# Altium PCB Kasli-DIOT.PCBDOC (part 18 of 21)
Units mm, origin at the board's own origin, x right, y up, seen from the top; angles counter-clockwise.
Board outline 222.34 x 100 mm, 10 copper layers (TopLayer, Layer 2, Layer 3, Layer 4, Layer 5, Layer 6, Layer 7, layer 8, Layer 9, BottomLayer), stack 1.564 mm thick; 974 components, 908 nets, 4662 pads, 2649 vias.
Unrouted connection lines stored in the file: 17.
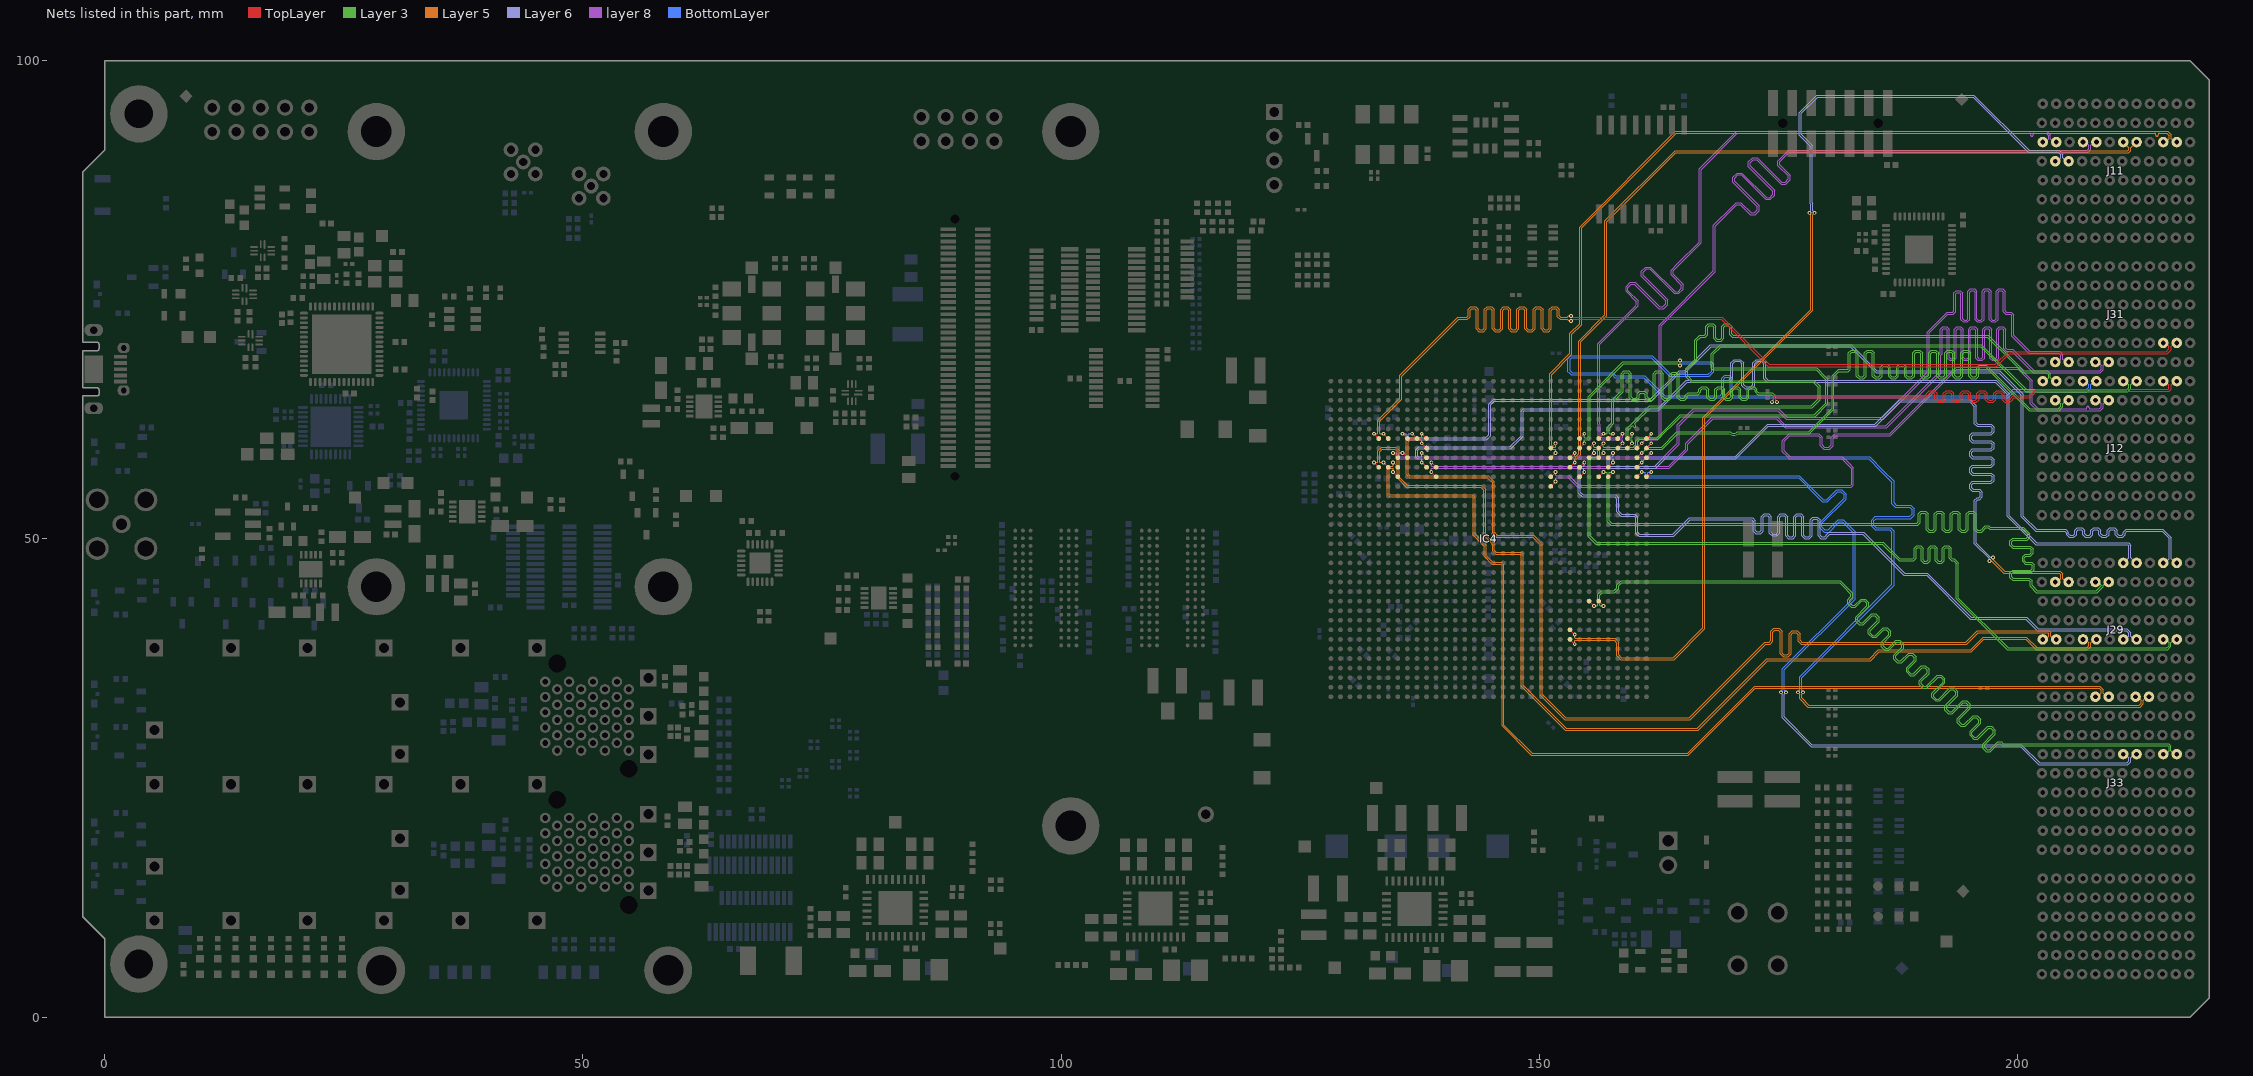
[diagram p26: the nets of this part, all layers, seen from the top]

## Via types
v1: diameter 0.4, hole 0.2, TopLayer to BottomLayer, tented both sides, 1661 vias
v2: diameter 0.5, hole 0.2, TopLayer to BottomLayer, tented both sides, 516 vias
v3: diameter 0.6, hole 0.3, TopLayer to BottomLayer, tented both sides, 175 vias
v4: diameter 0.6, hole 0.3, TopLayer to BottomLayer, 113 vias
v5: diameter 0.5, hole 0.2, TopLayer to BottomLayer, 110 vias
v6: diameter 0.4, hole 0.2, TopLayer to BottomLayer, 67 vias
v7: diameter 0.8, hole 0.5, TopLayer to BottomLayer, tented both sides, 7 vias

## Nets (pads, with @x,y where several pads share a name; then routed paths per layer and width w, separated by ;. In a path a pad name is that pad's centre, name@x,y a point inside that pad or via, vN(x,y) a via of type N, cw(c..) or ccw(c..) an arc to the next point about the centre after c; other vN are vias at no path point) (continued)
SLOT5.LVDS_14_N: IC4.AH26 J11.K5 | length 108.2
  TopLayer w0.095: IC4.AH26@153.2,39.5 v1(153.7,39)
  Layer 5 w0.08: v1(153.7,39) 153.7,39.35 153.747,39.396 157.823,39.396 158.1,39.119 158.1,37.788 158.495,37.393 164.093,37.393 167.307,40.607 167.307,62.607 178.6,73.9 178.6,83.893 178.76,84.054 v1(178.76,84.1)
  Layer 6 w0.08: v1(178.76,84.1) 178.76,84.14 178.6,84.3 178.6,85.09 178.539,85.151 178.539,91.155 177.397,92.298 177.397,94.495 179.102,96.2 195.344,96.2 201.122,90.422 204.264,90.422 204.535,90.151 204.535,89.851 204.184,89.5 J11.K5@203.939,89.5
SLOT5.LVDS_14_P: IC4.AG26 J11.J5 | length 108.6
  TopLayer w0.095: IC4.AG26@153.2,40.5 v1(153.7,40)
  Layer 5 w0.08: v1(153.7,40) 153.7,39.65 153.747,39.603 157.908,39.603 158.307,39.205 158.307,37.874 158.581,37.6 164.007,37.6 167.1,40.693 167.1,62.693 178.393,73.985 178.393,83.893 178.233,84.053 v1(178.233,84.1)
  Layer 6 w0.08: v1(178.233,84.1) 178.233,84.14 178.393,84.3 178.393,85.004 178.332,85.065 178.332,91.07 177.19,92.212 177.19,94.581 179.016,96.407 195.43,96.407 201.208,90.629 204.35,90.629 204.742,90.237 204.742,89.851 205.093,89.5 J11.J5@205.339,89.5
SLOT5.LVDS_15_N: IC4.AD29 J33.C6 | length 107.5
  TopLayer w0.095: IC4.AD29@156.2,43.5 v1(156.7,43)
  Layer 3 w0.075: v1(156.7,43) 156.349,43 156.305,43.044 156.305,44.121 156.549,44.364 157.864,44.364 158.078,44.578 ccw(c157.7,45) 158.122,44.622 158.3,44.8 158.3,45.115 158.618,45.433 181.381,45.433 181.626,45.188 181.694,45.12 182.569,44.245 182.569,43.984 182.235,43.65 182.235,43.222 182.614,42.843 183.042,42.843 183.718,43.519 183.979,43.519 184.239,43.259 184.239,42.998 183.074,41.833 183.074,41.405 183.453,41.026 183.881,41.026 184.827,41.972 185.087,41.972 185.348,41.711 185.348,41.451 184.402,40.505 184.402,40.077 184.781,39.698 185.209,39.698 186.032,40.522 186.293,40.522 186.553,40.261 186.553,40 185.73,39.177 185.73,38.749 186.109,38.37 186.537,38.37 187.36,39.194 187.621,39.194 187.881,38.933 187.881,38.673 187.058,37.849 187.058,37.421 187.437,37.042 187.865,37.042 188.688,37.866 188.949,37.866 189.209,37.605 189.209,37.345 188.386,36.521 188.386,36.093 188.765,35.714 189.193,35.714 190.016,36.538 190.277,36.538 190.537,36.277 190.537,36.017 189.714,35.193 189.714,34.765 190.093,34.387 190.521,34.387 191.686,35.552 191.947,35.552 192.207,35.291 192.207,35.031 191.042,33.865 191.042,33.437 191.421,33.059 191.849,33.059 193.014,34.224 193.274,34.224 193.535,33.963 193.535,33.703 192.37,32.537 192.37,32.11 192.749,31.731 193.177,31.731 194.342,32.896 194.602,32.896 194.863,32.635 194.863,32.375 193.698,31.21 193.698,30.782 194.077,30.403 194.505,30.403 195.424,31.323 195.685,31.323 195.946,31.062 195.946,30.802 195.026,29.882 195.026,29.454 195.405,29.075 195.832,29.075 196.959,30.201 197.219,30.201 197.48,29.94 197.48,29.68 196.354,28.554 196.354,28.126 196.733,27.747 197.16,27.747 197.984,28.57 198.244,28.57 198.313,28.502 198.414,28.4 215.702,28.4 215.838,28.264 215.838,27.861 215.477,27.5 J33.C6@215.239,27.5
SLOT5.LVDS_15_P: IC4.AD28 J33.B6 | length 108.1
  TopLayer w0.095: IC4.AD28@155.2,43.5 v1(155.7,43)
  Layer 3 w0.075: v1(155.7,43) 156.059,43 156.103,43.044 156.103,44.204 156.465,44.566 157.781,44.566 157.94,44.726 ccw(c157.7,45) 157.974,44.76 158.098,44.884 158.098,45.199 158.534,45.635 181.465,45.635 181.769,45.331 181.837,45.263 182.771,44.329 182.771,43.901 182.437,43.566 182.437,43.306 182.698,43.045 182.958,43.045 183.635,43.721 184.063,43.721 184.441,43.343 184.441,42.915 183.276,41.749 183.276,41.489 183.537,41.228 183.797,41.228 184.743,42.174 185.171,42.174 185.55,41.795 185.55,41.367 184.604,40.421 184.604,40.161 184.865,39.9 185.125,39.9 185.949,40.724 186.376,40.724 186.755,40.345 186.755,39.917 185.932,39.094 185.932,38.833 186.193,38.572 186.453,38.572 187.276,39.396 187.704,39.396 188.083,39.017 188.083,38.589 187.26,37.766 187.26,37.505 187.521,37.244 187.781,37.244 188.604,38.068 189.032,38.068 189.411,37.689 189.411,37.261 188.588,36.438 188.588,36.177 188.849,35.916 189.109,35.916 189.932,36.74 190.36,36.74 190.739,36.361 190.739,35.933 189.916,35.11 189.916,34.849 190.176,34.589 190.437,34.589 191.602,35.754 192.03,35.754 192.409,35.375 192.409,34.947 191.244,33.782 191.244,33.521 191.504,33.261 191.765,33.261 192.93,34.426 193.358,34.426 193.737,34.047 193.737,33.619 192.572,32.454 192.572,32.193 192.832,31.933 193.093,31.933 194.258,33.098 194.686,33.098 195.065,32.719 195.065,32.291 193.9,31.126 193.9,30.865 194.16,30.605 194.421,30.605 195.341,31.525 195.769,31.525 196.148,31.146 196.148,30.718 195.228,29.798 195.228,29.537 195.488,29.277 195.749,29.277 196.875,30.403 197.303,30.403 197.682,30.024 197.682,29.596 196.556,28.47 196.556,28.209 196.816,27.949 197.077,27.949 197.9,28.772 198.328,28.772 198.387,28.713 198.396,28.704 198.455,28.645 198.498,28.602 215.786,28.602 216.04,28.348 216.04,27.861 216.401,27.5 J33.B6@216.639,27.5
SLOT6.LVDS_0_N: IC4.H28 J29.C4 | length 88.2
  TopLayer w0.095: IC4.H28@155.2,59.5 v1(155.7,60)
  Layer 3 w0.075: v1(155.7,60) 155.7,59.645 155.744,59.601 156.07,59.601 156.302,59.369 156.302,58.616 156.05,58.365 155.425,58.365 155.3,58.239 155.3,50.324 155.974,49.65 185.95,49.65 187.692,47.908 188.95,47.908 189.046,47.908 189.18,48.042 189.18,49.047 189.433,49.299 189.869,49.299 190.121,49.047 190.121,47.817 190.256,47.683 190.524,47.683 190.658,47.817 190.658,49.047 190.911,49.299 191.347,49.299 191.599,49.047 191.599,47.817 191.734,47.683 192.002,47.683 192.136,47.817 192.136,49.047 192.389,49.299 192.825,49.299 193.077,49.047 193.077,48.042 193.212,47.908 193.385,47.908 193.665,47.628 193.75,47.543 193.809,47.484 193.809,43.81 199.019,38.6 215.593,38.6 215.838,38.845 215.838,39.139 215.477,39.5 J29.C4@215.239,39.5
SLOT6.LVDS_0_P: IC4.J28 J29.B4 | length 88.5
  TopLayer w0.095: IC4.J28@155.2,58.5 v1(155.7,59)
  Layer 3 w0.075: v1(155.7,59) 155.7,59.355 155.744,59.399 155.986,59.399 156.1,59.285 156.1,58.7 155.967,58.567 155.342,58.567 155.098,58.323 155.098,50.241 155.891,49.448 185.866,49.448 187.608,47.706 188.95,47.706 189.13,47.706 189.382,47.959 189.382,48.963 189.517,49.097 189.785,49.097 189.919,48.963 189.919,47.734 190.172,47.481 190.608,47.481 190.86,47.734 190.86,48.963 190.995,49.097 191.263,49.097 191.397,48.963 191.397,47.734 191.65,47.481 192.086,47.481 192.338,47.734 192.338,48.963 192.473,49.097 192.741,49.097 192.875,48.963 192.875,47.959 193.128,47.706 193.301,47.706 193.564,47.444 193.607,47.4 193.607,43.726 198.936,38.398 215.677,38.398 216.04,38.761 216.04,39.139 216.401,39.5 J29.B4@216.639,39.5
SLOT6.LVDS_1_N: IC4.K27 J29.F4 | length 88.1
  TopLayer w0.095: IC4.K27@154.2,57.5 v1(154.7,58)
  Layer 6 w0.08: v1(154.7,58) 154.7,57.694 154.583,57.577 154.342,57.577 154.082,57.317 154.082,54.803 154.485,54.4 156.9,54.4 157.876,54.4 158.104,54.172 158.104,52.822 158.526,52.4 159.9,52.4 160.093,52.207 160.093,50.614 160.414,50.293 164.044,50.293 165.751,52 171.248,52 172.198,52 172.358,51.84 172.358,50.814 172.64,50.532 173.132,50.532 173.414,50.814 173.414,52.253 173.575,52.413 173.896,52.413 174.056,52.253 174.056,50.593 174.338,50.312 174.83,50.312 175.112,50.593 175.112,52.253 175.273,52.413 175.594,52.413 175.754,52.253 175.754,50.312 176.036,50.03 176.528,50.03 176.81,50.312 176.81,52.253 176.971,52.413 177.292,52.413 177.452,52.253 177.452,50.312 177.734,50.03 178.226,50.03 178.508,50.312 178.508,51.907 178.669,52.067 178.99,52.067 179.15,51.907 179.15,50.312 179.432,50.03 179.924,50.03 180.206,50.312 180.206,50.34 180.367,50.5 180.563,50.5 183.807,50.5 188.119,46.189 190.491,46.189 195.071,41.608 200.864,41.608 202.073,40.4 211.352,40.4 211.635,40.117 211.635,39.851 211.284,39.5 J29.F4@211.039,39.5
SLOT6.LVDS_1_P: IC4.L27 J29.E4 | length 87.7
  TopLayer w0.095: IC4.L27@154.2,56.5 v1(154.7,57)
  Layer 6 w0.08: v1(154.7,57) 154.639,57.061 154.639,57.323 154.592,57.37 154.428,57.37 154.289,57.232 154.289,54.889 154.571,54.607 156.986,54.607 157.962,54.607 158.311,54.258 158.311,52.908 158.612,52.607 159.986,52.607 160.3,52.293 160.3,50.7 160.5,50.5 163.959,50.5 165.666,52.207 171.248,52.207 172.283,52.207 172.565,51.925 172.565,50.899 172.726,50.739 173.047,50.739 173.207,50.899 173.207,52.338 173.489,52.62 173.981,52.62 174.263,52.338 174.263,50.679 174.424,50.519 174.745,50.519 174.905,50.679 174.905,52.338 175.187,52.62 175.679,52.62 175.961,52.338 175.961,50.397 176.122,50.237 176.443,50.237 176.603,50.397 176.603,52.338 176.885,52.62 177.377,52.62 177.659,52.338 177.659,50.397 177.82,50.237 178.141,50.237 178.301,50.397 178.301,51.992 178.583,52.274 179.075,52.274 179.357,51.992 179.357,50.397 179.518,50.237 179.839,50.237 179.999,50.397 179.999,50.425 180.281,50.707 180.563,50.707 183.893,50.707 188.204,46.396 190.577,46.396 195.157,41.815 200.95,41.815 202.159,40.607 211.438,40.607 211.842,40.203 211.842,39.851 212.193,39.5 J29.E4@212.439,39.5
SLOT6.LVDS_2_N: IC4.J34 J29.E1 | length 99
  TopLayer w0.095: IC4.J34@161.2,58.5 v1(161.7,59)
  Layer 5 w0.08: v1(177.575,33.965) 177.575,33.919 177.415,33.759 177.415,33.385 178.166,32.634 212.728,32.634 212.935,32.841 212.935,33.13 212.565,33.5 J29.E1@212.339,33.5
  BottomLayer w0.095: v1(161.7,59) 161.431,58.731 161.431,58.652 161.487,58.597 184.521,58.597 185.961,57.157 187.083,56.034 187.083,54.86 187.083,53.768 187.323,53.528 188.822,53.528 189.191,53.159 189.191,52.497 188.822,52.127 185.215,52.127 184.975,51.888 184.975,51.41 185.215,51.17 186.714,51.17 187.083,50.801 187.083,50.597 187.083,45.159 177.422,35.497 177.422,34.174 177.575,34.021 v1(177.575,33.965)
SLOT6.LVDS_2_P: IC4.K33 J29.D1 | length 99.7
  TopLayer w0.095: IC4.K33@160.2,57.5 v1(160.7,58)
  Layer 5 w0.08: v1(177.048,33.965) 177.048,33.919 177.208,33.759 177.208,33.3 178.08,32.427 212.814,32.427 213.142,32.756 213.142,33.13 213.513,33.5 J29.D1@213.739,33.5
  BottomLayer w0.095: v1(160.7,58) 161.082,58.382 161.31,58.382 161.317,58.375 184.429,58.375 185.647,57.157 185.804,57 186.861,55.942 186.861,54.86 186.861,53.676 187.231,53.306 188.73,53.306 188.969,53.067 188.969,52.589 188.73,52.349 185.123,52.349 184.753,51.98 184.753,51.318 185.123,50.948 186.622,50.948 186.861,50.709 186.861,50.597 186.861,45.251 177.2,35.589 177.2,34.174 177.048,34.021 v1(177.048,33.965)
SLOT6.LVDS_3_N: IC4.L30 J29.H7 | length 86.8
  TopLayer w0.095: IC4.L30@157.2,56.5 v1(157.7,57)
  Layer 3 w0.075: v1(157.7,57) 157.345,57 157.301,56.956 157.301,54.75 157.3,54.749 157.3,51.885 157.393,51.791 157.563,51.622 189.364,51.622 189.461,51.622 189.62,51.781 189.62,52.619 189.898,52.897 190.383,52.897 190.661,52.619 190.661,51.069 190.82,50.91 191.139,50.91 191.298,51.069 191.298,52.619 191.576,52.897 192.061,52.897 192.339,52.619 192.339,51.069 192.498,50.91 192.817,50.91 192.976,51.069 192.976,52.619 193.254,52.897 193.739,52.897 194.017,52.619 194.017,51.069 194.176,50.91 194.495,50.91 194.654,51.069 194.654,52.619 194.932,52.897 195.417,52.897 195.695,52.619 195.695,51.069 195.854,50.91 196.173,50.91 196.332,51.069 196.332,51.111 196.61,51.389 197.002,51.389 197.155,51.236 197.167,51.236 200.59,51.236 200.792,51.034 201.271,50.555 201.271,50.162 200.993,49.884 199.561,49.884 199.401,49.725 199.401,49.407 199.561,49.247 201.339,49.247 201.616,48.97 201.616,48.484 201.339,48.206 200.879,48.206 200.72,48.047 200.72,47.729 200.879,47.569 201.474,47.569 201.751,47.292 201.751,46.806 201.474,46.528 199.561,46.528 199.401,46.369 199.401,46.051 199.561,45.891 201.232,45.891 201.509,45.614 201.509,45.433 201.509,45.149 202.058,44.6 208.249,44.6 208.738,45.089 208.738,45.151 208.388,45.5 J29.H7@208.139,45.5
SLOT6.LVDS_3_P: IC4.L29 J29.G7 | length 87.5
  TopLayer w0.095: IC4.L29@156.2,56.5 v1(156.7,57)
  Layer 3 w0.075: v1(156.7,57) 157.055,57 157.099,56.956 157.099,54.833 157.098,54.832 157.098,51.801 157.479,51.42 189.364,51.42 189.544,51.42 189.822,51.697 189.822,52.536 189.981,52.695 190.3,52.695 190.459,52.536 190.459,50.985 190.737,50.708 191.222,50.708 191.5,50.985 191.5,52.536 191.659,52.695 191.978,52.695 192.137,52.536 192.137,50.985 192.415,50.708 192.9,50.708 193.178,50.985 193.178,52.536 193.337,52.695 193.656,52.695 193.815,52.536 193.815,50.985 194.093,50.708 194.578,50.708 194.856,50.985 194.856,52.536 195.015,52.695 195.334,52.695 195.493,52.536 195.493,50.985 195.771,50.708 196.256,50.708 196.534,50.985 196.534,51.027 196.693,51.187 196.918,51.187 196.953,51.152 197.072,51.034 197.167,51.034 199.162,51.034 200.506,51.034 201.069,50.471 201.069,50.246 200.909,50.086 199.477,50.086 199.199,49.809 199.199,49.323 199.477,49.045 201.255,49.045 201.414,48.886 201.414,48.568 201.255,48.408 200.796,48.408 200.518,48.131 200.518,47.645 200.796,47.367 201.39,47.367 201.549,47.208 201.549,46.89 201.39,46.73 199.477,46.73 199.199,46.453 199.199,45.967 199.477,45.689 201.148,45.689 201.307,45.53 201.307,45.433 201.307,45.065 201.975,44.398 208.333,44.398 208.94,45.005 208.94,45.151 209.289,45.5 J29.G7@209.539,45.5
SLOT6.LVDS_4_N: IC4.J30 J29.K7 | length 87.5
  TopLayer w0.095: IC4.J30@157.2,58.5 v1(157.7,59)
  Layer 5 w0.08: v1(197.046,47.7) 197.079,47.667 197.306,47.667 198.549,46.424 204.381,46.424 204.535,46.27 204.535,45.851 204.184,45.5 J29.K7@203.939,45.5
  Layer 6 w0.08: v1(157.7,59) 157.7,58.65 157.653,58.604 157.372,58.604 157.093,58.324 157.093,57.614 157.314,57.393 162.149,57.393 163.153,58.397 170.551,58.397 173.947,61.793 185.155,61.793 187.71,64.347 194.986,64.347 195.493,63.84 195.493,62.229 195.493,62.043 195.775,61.761 197.18,61.761 197.341,61.601 197.341,61.28 197.18,61.119 195.282,61.119 195,60.837 195,60.345 195.282,60.063 197.18,60.063 197.341,59.903 197.341,59.582 197.18,59.421 195.282,59.421 195,59.139 195,58.647 195.282,58.365 197.18,58.365 197.341,58.205 197.341,57.884 197.18,57.723 195.282,57.723 195,57.441 195,56.949 195.282,56.667 197.18,56.667 197.341,56.507 197.341,56.186 197.18,56.025 195.282,56.025 195,55.743 195,55.251 195.282,54.969 195.943,54.969 196.103,54.809 196.103,54.488 195.943,54.327 195.775,54.327 195.493,54.045 195.493,53.196 195.493,49.479 197.013,47.959 197.013,47.733 v1(197.046,47.7)
SLOT6.LVDS_4_P: IC4.K30 J29.J7 | length 87.1
  TopLayer w0.095: IC4.K30@157.2,57.5 v1(157.7,58)
  Layer 5 w0.08: v1(197.419,48.073) 197.452,48.039 197.452,47.813 198.634,46.631 204.467,46.631 204.742,46.355 204.742,45.851 205.094,45.5 J29.J7@205.339,45.5
  Layer 6 w0.08: v1(157.7,58) 157.7,58.35 157.653,58.397 157.458,58.397 157.3,58.238 157.3,57.7 157.4,57.6 162.064,57.6 163.067,58.604 170.465,58.604 173.862,62 185.07,62 187.624,64.554 195.072,64.554 195.7,63.926 195.7,62.229 195.7,62.129 195.86,61.968 197.266,61.968 197.548,61.686 197.548,61.194 197.266,60.912 195.368,60.912 195.207,60.752 195.207,60.431 195.368,60.27 197.266,60.27 197.548,59.988 197.548,59.496 197.266,59.214 195.368,59.214 195.207,59.054 195.207,58.733 195.368,58.572 197.266,58.572 197.548,58.29 197.548,57.798 197.266,57.516 195.368,57.516 195.207,57.356 195.207,57.035 195.368,56.874 197.266,56.874 197.548,56.592 197.548,56.1 197.266,55.818 195.368,55.818 195.207,55.658 195.207,55.337 195.368,55.176 196.029,55.176 196.31,54.894 196.31,54.402 196.029,54.12 195.86,54.12 195.7,53.96 195.7,53.196 195.7,49.565 197.159,48.106 197.386,48.106 v1(197.419,48.073)
SLOT6.LVDS_5_N: IC4.L24 J12.H7 | length 86.6
  TopLayer w0.095: IC4.L24@151.2,56.5 v1(151.7,57)
  layer 8 w0.075: v1(151.7,57) 151.7,56.645 151.744,56.601 153.099,56.601 153.629,56.071 153.7,56 154.105,55.595 182.51,55.595 182.637,55.723 182.637,57.362 181.999,58 181.601,58.398 176.133,58.398 175.792,58.738 175.41,59.12 175.41,60.294 176.116,61 178.377,61 179.219,61 179.572,60.647 179.572,59.826 179.806,59.592 180.275,59.592 180.509,59.826 180.509,60.647 180.862,61 181.042,61 186.613,61 193.578,67.965 200.138,67.965 201.546,66.557 201.546,64.237 202.184,63.6 207.092,63.6 207.13,63.6 ccw(c207.13,63.712) 207.242,63.712 207.242,63.751 cw(c207.355,63.751) 207.355,63.864 cw(c207.355,63.751) 207.467,63.751 207.467,63.712 ccw(c207.58,63.712) 207.58,63.6 208.224,63.6 208.55,63.6 208.738,63.788 208.738,64.151 208.388,64.5 J12.H7@208.139,64.5
SLOT6.LVDS_5_P: IC4.M24 J12.G7 | length 86.6
  TopLayer w0.095: IC4.M24@151.2,55.5 v1(151.7,56)
  layer 8 w0.075: v1(151.7,56) 151.7,56.355 151.744,56.399 153.015,56.399 154.021,55.393 182.593,55.393 182.839,55.639 182.839,57.445 182.284,58 181.684,58.6 176.216,58.6 175.792,59.024 175.612,59.204 175.612,60.21 176.2,60.798 178.377,60.798 179.136,60.798 179.37,60.564 179.37,59.743 179.723,59.39 180.358,59.39 180.711,59.743 180.711,60.564 180.945,60.798 181.042,60.798 186.697,60.798 193.661,67.763 200.055,67.763 200.544,67.273 200.687,67.131 201.344,66.473 201.344,64.154 202.1,63.398 208.634,63.398 208.94,63.704 208.94,64.151 209.289,64.5 J12.G7@209.539,64.5
SLOT6.LVDS_6_N: IC4.H34 J12.K7 | length 87.7
  TopLayer w0.095: IC4.H34@161.2,59.5 v1(161.7,60)
  Layer 3 w0.075: v1(161.7,60) 161.406,59.706 161.406,59.644 161.45,59.6 162.773,59.6 164.373,61.2 169.94,61.2 ccw(c170.325,61.575) 170.71,61.2 178.144,61.2 180.598,63.654 180.598,67.052 181.289,67.743 182.272,67.743 182.309,67.781 182.309,69.456 182.587,69.734 183.073,69.734 183.35,69.456 183.35,67.103 183.509,66.944 183.828,66.944 183.987,67.103 183.987,69.456 184.265,69.734 184.751,69.734 185.028,69.456 185.028,67.103 185.187,66.944 185.506,66.944 185.665,67.103 185.665,67.976 185.943,68.254 186.429,68.254 186.706,67.976 186.706,67.103 186.865,66.944 187.184,66.944 187.343,67.103 187.343,67.985 187.621,68.263 188.107,68.263 188.384,67.985 188.384,67.103 188.543,66.944 188.862,66.944 189.021,67.103 189.021,69.456 189.299,69.734 189.785,69.734 190.062,69.456 190.062,67.103 190.221,66.944 190.54,66.944 190.699,67.103 190.699,69.456 190.977,69.734 191.463,69.734 191.74,69.456 191.74,67.103 191.899,66.944 192.218,66.944 192.377,67.103 192.377,69.456 192.655,69.734 193.141,69.734 193.418,69.456 193.418,67.103 193.577,66.944 193.896,66.944 194.055,67.103 194.055,69.456 194.333,69.734 194.819,69.734 195.096,69.456 195.096,67.103 195.255,66.944 195.574,66.944 195.733,67.103 195.733,67.874 196.011,68.152 196.441,68.152 196.731,68.152 201.283,63.6 204.247,63.6 204.538,63.891 204.538,64.139 204.177,64.5 J12.K7@203.939,64.5
SLOT6.LVDS_6_P: IC4.J33 J12.J7 | length 88.4
  TopLayer w0.095: IC4.J33@160.2,58.5 v1(160.7,59)
  Layer 3 w0.075: v1(160.7,59) 161.098,59.398 162.856,59.398 164.456,60.998 169.862,60.998 ccw(c170.325,61.575) 170.788,60.998 178.228,60.998 180.8,63.57 180.8,66.968 181.289,67.457 182.272,67.457 182.511,67.697 182.511,69.373 182.67,69.532 182.989,69.532 183.148,69.373 183.148,67.02 183.426,66.742 183.912,66.742 184.189,67.02 184.189,69.373 184.348,69.532 184.667,69.532 184.826,69.373 184.826,67.02 185.104,66.742 185.59,66.742 185.867,67.02 185.867,67.893 186.026,68.052 186.345,68.052 186.504,67.893 186.504,67.02 186.782,66.742 187.268,66.742 187.545,67.02 187.545,67.901 187.704,68.06 188.023,68.06 188.182,67.901 188.182,67.02 188.46,66.742 188.946,66.742 189.223,67.02 189.223,69.373 189.382,69.532 189.701,69.532 189.86,69.373 189.86,67.02 190.138,66.742 190.624,66.742 190.901,67.02 190.901,69.373 191.06,69.532 191.379,69.532 191.538,69.373 191.538,67.02 191.816,66.742 192.302,66.742 192.579,67.02 192.579,69.373 192.738,69.532 193.057,69.532 193.216,69.373 193.216,67.02 193.494,66.742 193.98,66.742 194.257,67.02 194.257,69.373 194.416,69.532 194.735,69.532 194.894,69.373 194.894,67.02 195.172,66.742 195.658,66.742 195.935,67.02 195.935,67.791 196.094,67.95 196.441,67.95 196.647,67.95 201.199,63.398 204.33,63.398 204.74,63.807 204.74,64.139 205.101,64.5 J12.J7@205.339,64.5
SLOT6.LVDS_7_N: IC4.G30 J12.C8 | length 95.7
  TopLayer w0.095: IC4.G30@157.2,60.5 v1(157.7,61) ; v1(174.326,64.3) 174.326,64.348 174.478,64.5 174.478,64.792 174.686,65 190.2,65 190.313,65 190.477,65.164 190.477,65.214 190.771,65.508 191.283,65.508 191.578,65.214 191.578,64.656 191.742,64.492 192.071,64.492 192.235,64.656 192.235,65.214 192.529,65.508 193.042,65.508 193.336,65.214 193.336,64.656 193.5,64.492 193.829,64.492 193.993,64.656 193.993,65.214 194.287,65.508 194.8,65.508 195.094,65.214 195.094,64.656 195.258,64.492 195.587,64.492 195.751,64.656 195.751,65.214 196.045,65.508 196.558,65.508 196.852,65.214 196.852,64.656 197.016,64.492 197.345,64.492 197.509,64.656 197.509,65.214 197.803,65.508 198.316,65.508 198.61,65.214 198.61,64.656 198.774,64.492 199.103,64.492 199.267,64.656 199.267,64.706 199.561,65 200.6,65 201.25,65 201.9,65.65 215.747,65.65 215.828,65.731 215.828,66.143 215.471,66.5 J12.C8@215.239,66.5
  Layer 3 w0.075: v1(157.7,61) 157.345,61 157.301,61.044 157.301,61.595 157.787,62.08 157.787,64.428 158.3,64.942 158.458,65.1 158.48,65.1 158.758,65.378 158.758,67.205 158.917,67.365 159.236,67.365 159.395,67.205 159.395,64.77 159.673,64.492 160.158,64.492 160.436,64.77 160.436,65.101 160.595,65.26 160.914,65.26 161.073,65.101 161.073,64.77 161.351,64.492 161.836,64.492 162.114,64.77 162.114,67.205 162.273,67.365 162.592,67.365 162.751,67.205 162.751,64.77 163.029,64.492 163.514,64.492 163.792,64.77 163.792,67.051 163.951,67.211 164.27,67.211 164.429,67.051 164.429,64.77 164.707,64.492 165.192,64.492 165.47,64.77 165.47,64.941 165.629,65.1 165.891,65.1 166.422,65.1 166.602,65.1 166.88,65.378 166.88,65.549 167.039,65.708 167.358,65.708 167.517,65.549 167.517,64.77 167.794,64.492 168.28,64.492 168.558,64.77 168.558,65.549 168.717,65.708 169.036,65.708 169.195,65.549 169.195,64.77 169.472,64.492 169.958,64.492 170.236,64.77 170.236,65.549 170.395,65.708 170.714,65.708 170.873,65.549 170.873,64.77 171.15,64.492 171.636,64.492 171.914,64.77 171.914,65.549 172.073,65.708 172.392,65.708 172.551,65.549 172.551,65.378 172.828,65.1 173.625,65.1 174.255,65.1 174.488,64.867 174.488,64.506 174.326,64.344 v1(174.326,64.3)